# KiCad board LabSupply 2025-2026.kicad_pcb
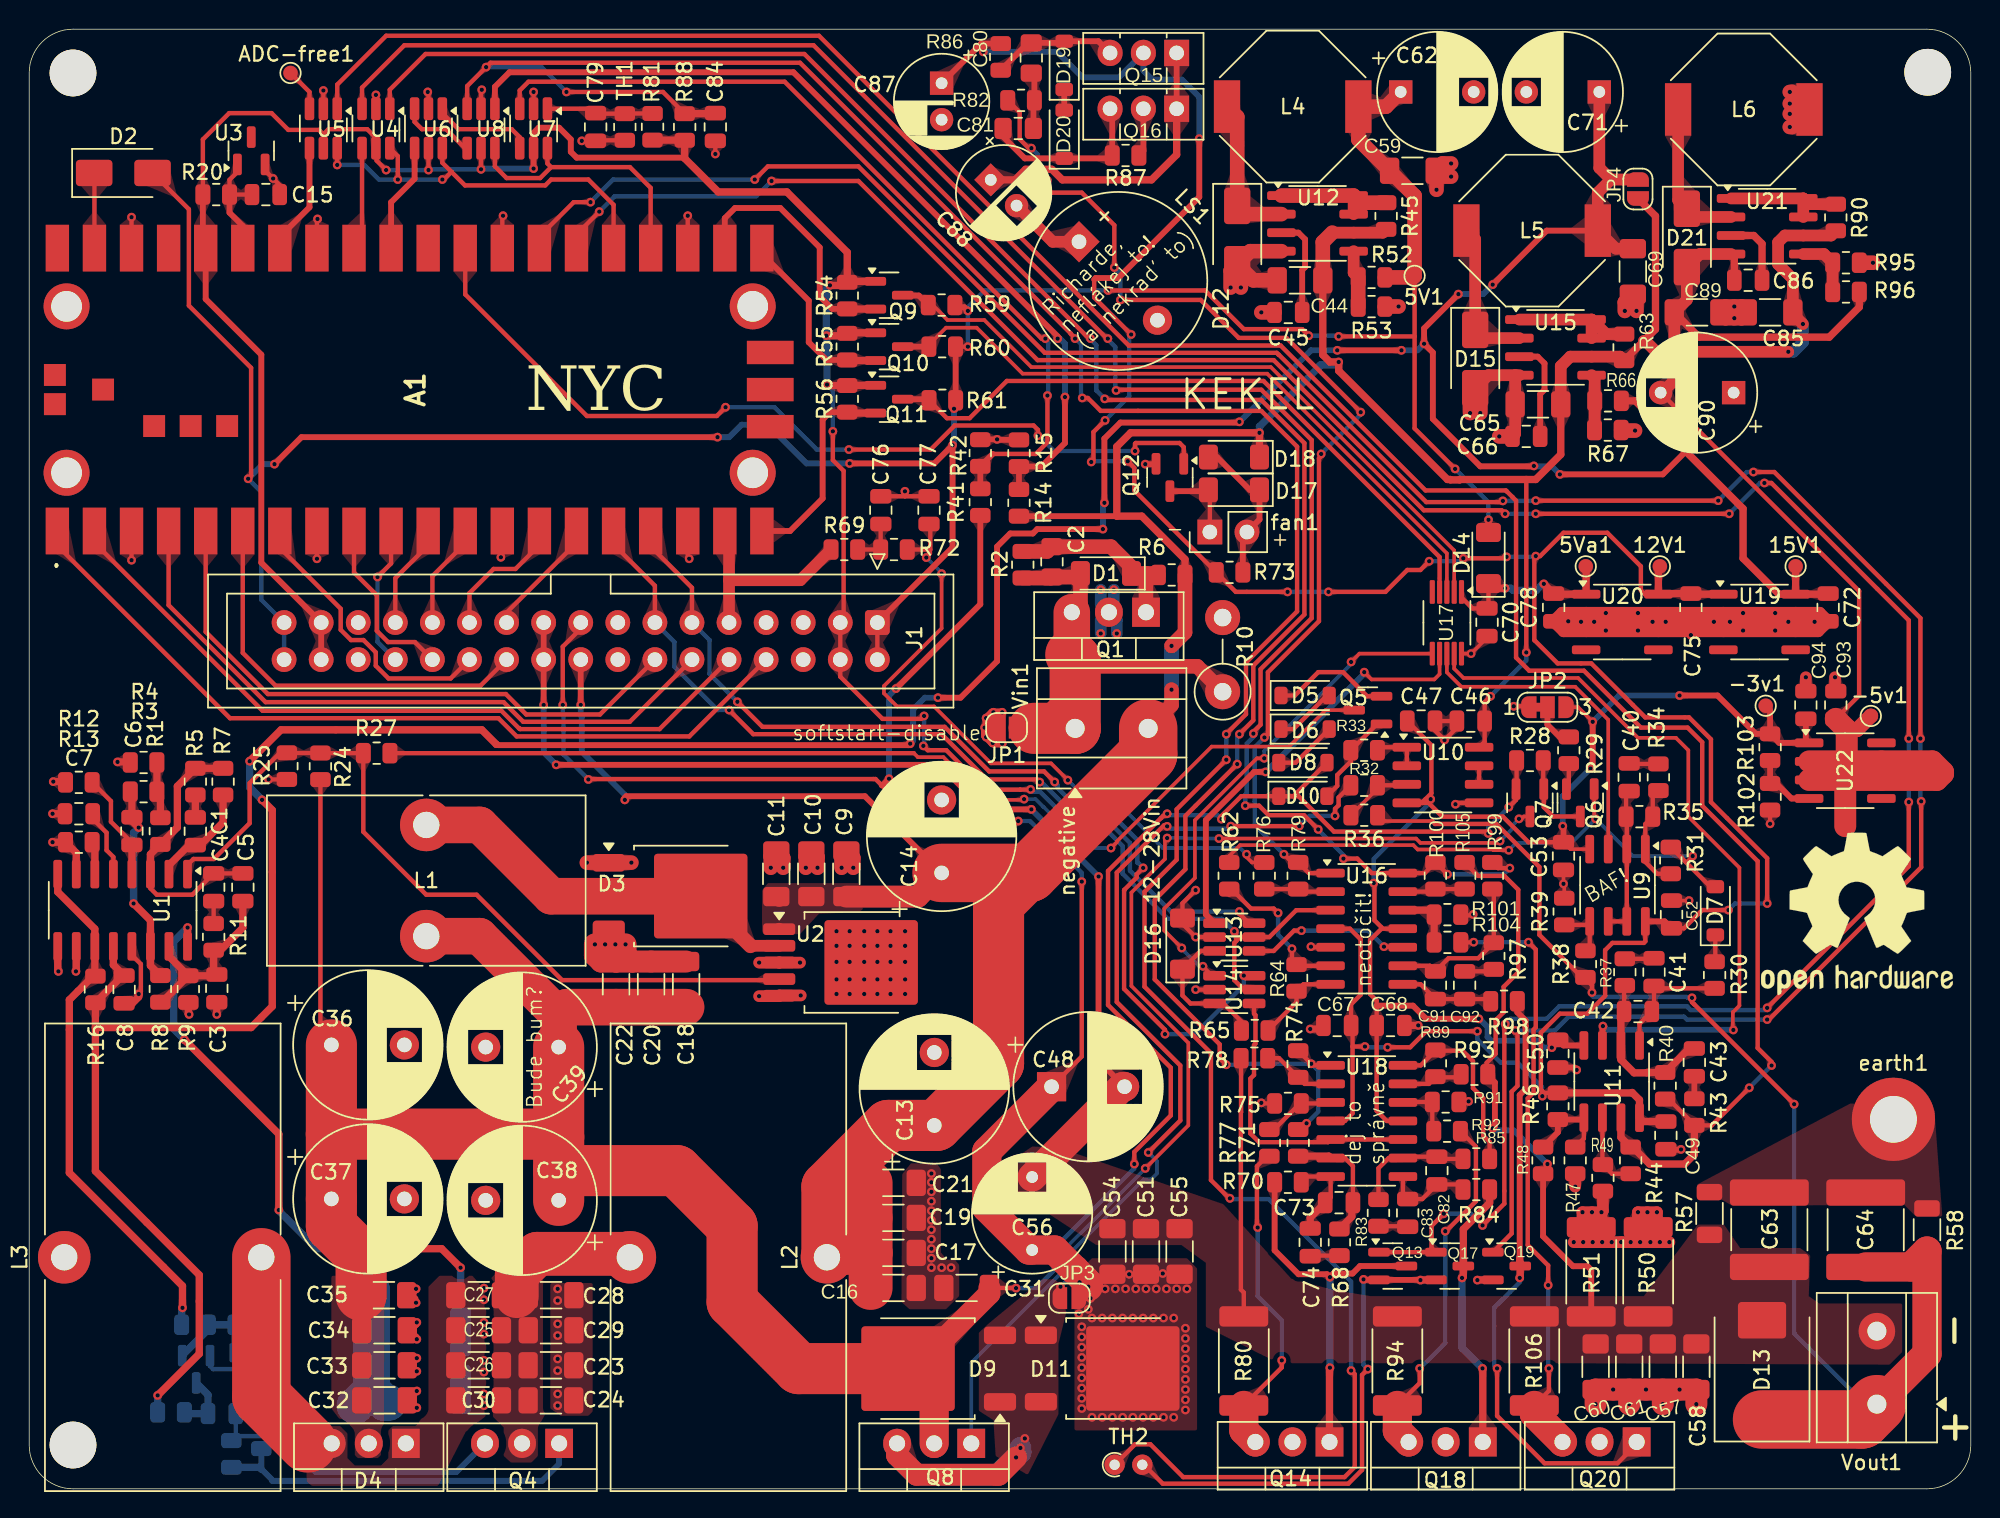
[diagram p0: board, top side]
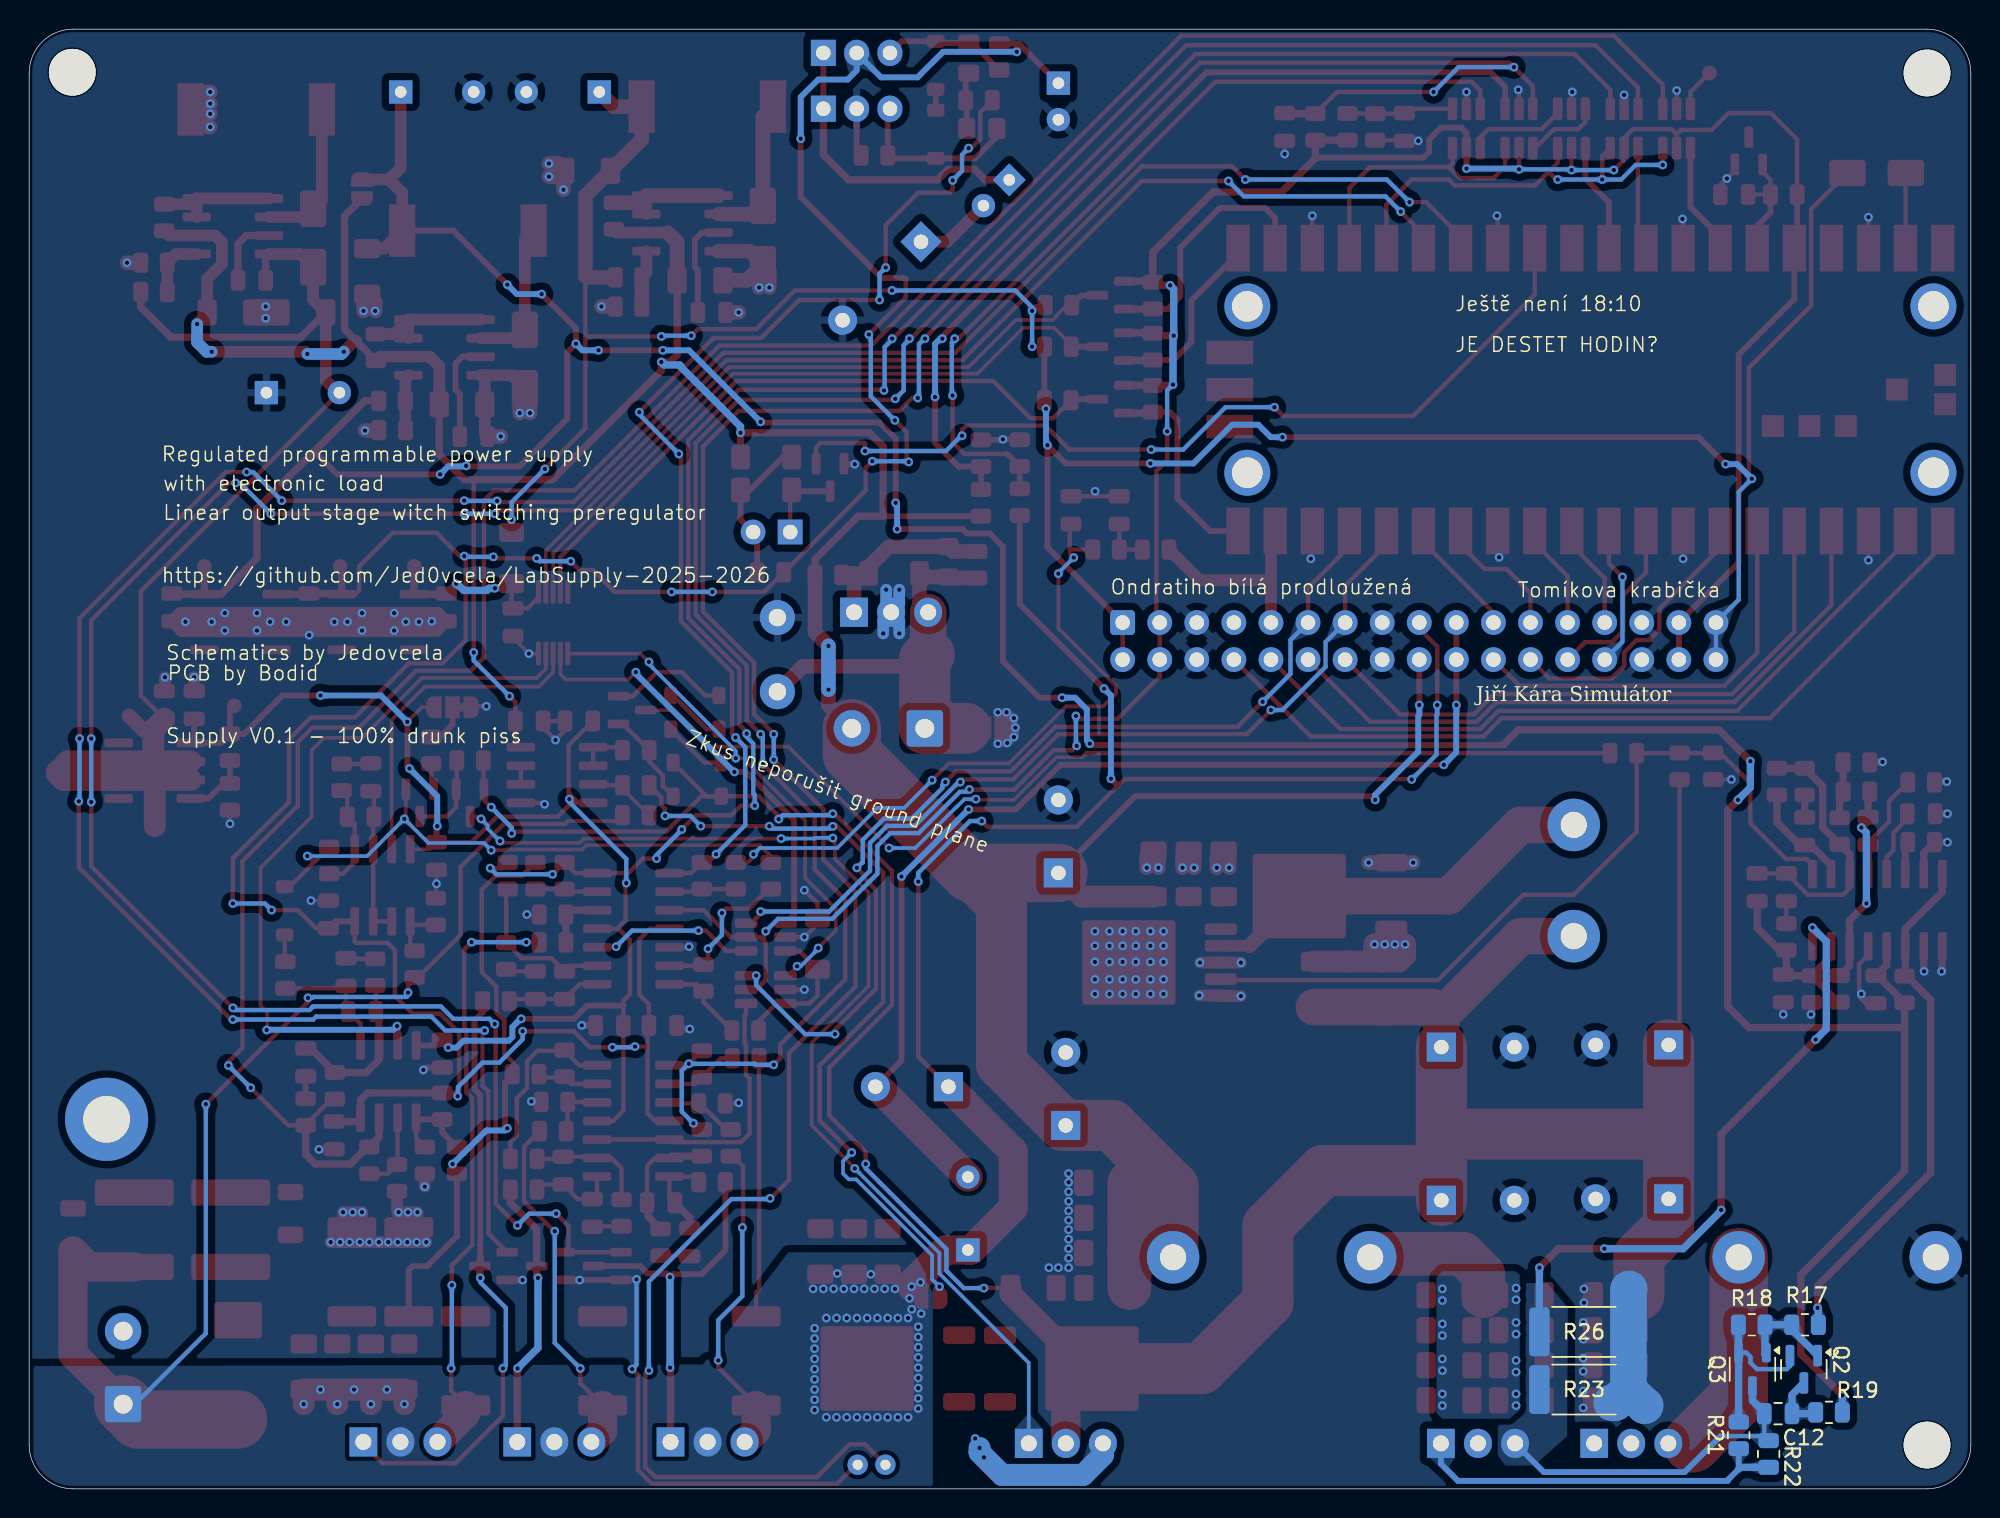
[diagram p1: board, bottom side, seen from below]

Outline 133 x 100 mm; copper layers: Top, Bottom. Coordinates in mm from the lower left corner of the outline.
Outline path: 0,97 arc(0.88,99.12) 3,100 130,100 arc(132.12,99.12) 133,97 133,3 arc(132.12,0.88) 130,0 3,0 arc(0.88,0.88) 0,3 0,97
Stack: Top 0.035mm / dielectric 1.51mm FR4 er 4.5 / Bottom 0.035mm

## Placement (name value [footprint] x y rotation side)
5V1  TestPoint_Probe  [TestPoint_Pad_D1.0mm]  94.9 83.1 0 top
5Va1  TestPoint_Probe  [TestPoint_Pad_D1.0mm]  106.62 63.2 0 top
12V1  TestPoint_Probe  [TestPoint_Pad_D1.0mm]  111.7 63.2 0 top
15V1  TestPoint_Probe  [TestPoint_Pad_D1.0mm]  121 63.2 0 top
-3v1  TestPoint_Probe  [TestPoint_Pad_D1.0mm]  118.95 53.65 0 top
-5v1  TestPoint_Probe  [TestPoint_Pad_D1.0mm]  126.15 52.95 0 top
A1  RaspberryPi_Pico  [PICO]  26.06 75.31 90 top
ADC-free1  TestPoint_Probe  [TestPoint_Pad_D1.0mm]  17.9 97 90 top
C1  100n  [C_0805_2012Metric]  11.38 45.05 90 top
C2  4u7  [C_0805_2012Metric_Pad1.18x1.45mm_HandSolder]  70.06 63.51 270 top  (not fitted)
C3  100n  [C_0805_2012Metric]  12.85 34.29 270 top
C4  100n  [C_0805_2012Metric]  12.64 41.21 270 top
C5  100n  [C_0805_2012Metric]  14.64 41.21 270 top  (not fitted)
C6  1u  [C_0805_2012Metric]  7.03 45.06 270 top
C7  1n  [C_0805_2012Metric]  3.4 46.25 180 top
C8  1u  [C_0805_2012Metric]  6.5 34.21 90 top
C9  2u2  [C_1206_3216Metric_Pad1.33x1.80mm_HandSolder]  55.97 42.13 270 top
C10  2u2  [C_1206_3216Metric_Pad1.33x1.80mm_HandSolder]  53.58 42.13 270 top
C11  2u2  [C_1206_3216Metric_Pad1.33x1.80mm_HandSolder]  51.17 42.13 270 top
C12  1u  [C_0805_2012Metric]  13.2 5.15 180 bottom
C13  470u  [CP_Radial_D10.0mm_P5.00mm]  62 24.89 90 top
C14  470u  [CP_Radial_D10.0mm_P5.00mm]  62.5 42.19 90 top
C15  100n  [C_0805_2012Metric]  16.21 88.67 0 top  (not fitted)
C16  2u2  [C_1206_3216Metric_Pad1.33x1.80mm_HandSolder]  59.2 13.76 180 top
C17  2u2  [C_1206_3216Metric_Pad1.33x1.80mm_HandSolder]  59.2 16.16 180 top
C18  2u2  [C_1206_3216Metric_Pad1.33x1.80mm_HandSolder]  45 34.56 270 top
C19  2u2  [C_1206_3216Metric_Pad1.33x1.80mm_HandSolder]  59.2 18.56 180 top
C20  2u2  [C_1206_3216Metric_Pad1.33x1.80mm_HandSolder]  42.6 34.56 270 top
C21  2u2  [C_1206_3216Metric_Pad1.33x1.80mm_HandSolder]  59.2 20.96 180 top
C22  2u2  [C_1206_3216Metric_Pad1.33x1.80mm_HandSolder]  40.2 34.56 270 top
C23  2u2  [C_1206_3216Metric_Pad1.33x1.80mm_HandSolder]  35.74 8.46 0 top
C24  2u2  [C_1206_3216Metric_Pad1.33x1.80mm_HandSolder]  35.74 6.06 0 top
C25  2u2  [C_1206_3216Metric_Pad1.33x1.80mm_HandSolder]  30.78 10.86 180 top
C26  2u2  [C_1206_3216Metric_Pad1.33x1.80mm_HandSolder]  30.78 8.46 180 top
C27  2u2  [C_1206_3216Metric_Pad1.33x1.80mm_HandSolder]  30.78 13.26 180 top
C28  2u2  [C_1206_3216Metric_Pad1.33x1.80mm_HandSolder]  35.75 13.26 0 top
C29  2u2  [C_1206_3216Metric_Pad1.33x1.80mm_HandSolder]  35.75 10.86 0 top
C30  2u2  [C_1206_3216Metric_Pad1.33x1.80mm_HandSolder]  30.78 6.06 180 top
C31  2u2  [C_1206_3216Metric_Pad1.33x1.80mm_HandSolder]  64.21 13.76 0 top
C32  2u2  [C_1206_3216Metric_Pad1.33x1.80mm_HandSolder]  24.34 6.06 180 top
C33  2u2  [C_1206_3216Metric_Pad1.33x1.80mm_HandSolder]  24.34 8.46 180 top
C34  2u2  [C_1206_3216Metric_Pad1.33x1.80mm_HandSolder]  24.34 10.86 180 top
C35  2u2  [C_1206_3216Metric_Pad1.33x1.80mm_HandSolder]  24.3 13.26 180 top
C36  470u  [CP_Radial_D10.0mm_P5.00mm]  20.7 30.41 0 top
C37  470u  [CP_Radial_D10.0mm_P5.00mm]  20.7 19.86 0 top
C38  470u  [CP_Radial_D10.0mm_P5.00mm]  36.27 19.76 180 top
C39  470u  [CP_Radial_D10.0mm_P5.00mm]  36.27 30.26 180 top
C40  100p  [C_0805_2012Metric]  109.6 48.75 270 top
C41  NC  [C_0805_2012Metric]  111.3 35.4 90 top  (not fitted)
C42  100p  [C_0805_2012Metric]  110.2 32.7 180 top
C43  NC  [C_0805_2012Metric]  114.06 29.22 270 top  (not fitted)
C44  1u  [C_1206_3216Metric_Pad1.33x1.80mm_HandSolder]  87.05 82.79 180 top
C45  100p  [C_0805_2012Metric]  86.25 80.59 0 top
C46  100n  [C_0805_2012Metric]  98.75 52.6 0 top
C47  100n  [C_0805_2012Metric]  95.35 52.6 0 top
C48  470u  [CP_Radial_D10.0mm_P5.00mm]  70.03 27.55 0 top  (not fitted)
C49  100n  [C_0805_2012Metric]  112.11 24.21 90 top
C50  100n  [C_0805_2012Metric]  104.71 29.81 270 top
C51  1u  [C_1206_3216Metric_Pad1.33x1.80mm_HandSolder]  76.5 16.26 90 top
C52  100n  [C_0805_2012Metric]  112.5 39.35 270 top
C53  100n  [C_0805_2012Metric]  105.1 43.35 270 top
C54  1u  [C_1206_3216Metric_Pad1.33x1.80mm_HandSolder]  74.2 16.26 90 top
C55  1u  [C_1206_3216Metric_Pad1.33x1.80mm_HandSolder]  78.8 16.26 90 top
C56  22u  [CP_Radial_D8.0mm_P5.00mm]  68.7 16.36 90 top
C57  1u  [C_1206_3216Metric_Pad1.33x1.80mm_HandSolder]  111.9 8.36 270 top
C58  1u  [C_1206_3216Metric_Pad1.33x1.80mm_HandSolder]  114.2 8.36 270 top
C59  1u  [C_1206_3216Metric_Pad1.33x1.80mm_HandSolder]  94.75 90.3 0 top
C60  1u  [C_1206_3216Metric_Pad1.33x1.80mm_HandSolder]  107.3 8.36 270 top
C61  1u  [C_1206_3216Metric_Pad1.33x1.80mm_HandSolder]  109.6 8.36 270 top
C62  220u  [CP_Radial_D8.0mm_P5.00mm]  93.95 95.7 0 top
C63  10n  [C_2220_5750Metric]  119.2 17.75 90 top
C64  10n  [C_2220_5750Metric]  125.8 17.75 90 top
C65  1u  [C_1206_3216Metric_Pad1.33x1.80mm_HandSolder]  103.35 74.3 180 top
C66  330p  [C_0805_2012Metric]  102.55 72.1 0 top
C67  100n  [C_0805_2012Metric]  89.6 31.74 0 top
C68  100n  [C_0805_2012Metric]  93.25 31.74 0 top
C69  1u  [C_1206_3216Metric_Pad1.33x1.80mm_HandSolder]  109.85 83.4 270 top
C70  100n  [C_0805_2012Metric]  99.86 59.37 90 top
C71  220u  [CP_Radial_D8.0mm_P5.00mm]  107.55 95.7 180 top
C72  100n  [C_0805_2012Metric]  123.22 60.38 90 top
C73  100p  [C_0805_2012Metric]  89.72 19.6 0 top
C74  NC  [C_0805_2012Metric]  87.75 16.89 270 top  (not fitted)
C75  100n  [C_0805_2012Metric]  113.82 60.38 90 top
C76  10n  [C_0805_2012Metric]  58.34 67.05 90 top
C77  10n  [C_0805_2012Metric]  61.64 67.05 90 top
C78  100n  [C_0805_2012Metric]  104.43 60.38 90 top
C79  100n  [C_0805_2012Metric]  38.8 93.3 90 top  (not fitted)
C80  4u7  [C_0805_2012Metric_Pad1.18x1.45mm_HandSolder]  68.64 98.03 270 top
C81  4u7  [C_0805_2012Metric_Pad1.18x1.45mm_HandSolder]  67.75 93.2 0 top
C82  100p  [C_0805_2012Metric]  96.43 21.8 90 top
C83  NC  [C_0805_2012Metric]  94.43 18.9 270 top  (not fitted)
C84  100n  [C_0805_2012Metric]  47 93.3 90 top
C85  1u  [C_1206_3216Metric_Pad1.33x1.80mm_HandSolder]  119.25 80.6 180 top
C86  100p  [C_0805_2012Metric]  117.75 82.8 0 top
C87  100u  [CP_Radial_D6.3mm_P2.50mm]  62.5 96.3 270 top
C88  100u  [CP_Radial_D6.3mm_P2.50mm]  65.87 89.68 315 top
C89  1u  [C_1206_3216Metric_Pad1.33x1.80mm_HandSolder]  114.25 80.6 180 top
C90  220u  [CP_Radial_D8.0mm_P5.00mm]  116.75 75.1 180 top
C91  100p  [C_0805_2012Metric]  96.32 34.5 90 top
C92  NC  [C_0805_2012Metric]  98.32 34.5 90 top  (not fitted)
C93  100n  [C_0805_2012Metric]  123.75 53.7 90 top
C94  1u  [C_0805_2012Metric]  121.7 53.7 90 top
D1  15V  [D_MiniMELF]  73.76 62.71 180 top  (not fitted)
D2  D_Schottky  [D_SMA]  6.45 90.15 0 top
D3  D_Schottky_AKA  [TO-252-2]  44.74 40.61 0 top
D4  D_Schottky_Dual_CommonCathode_AKA  [TO-220-3_Vertical]  25.8 3.11 180 top
D5  LL4148  [D_SOD-123]  87.4 54.35 0 top
D6  LL4148  [D_SOD-123]  87.4 52.05 0 top
D7  LL4148  [D_SOD-123]  115.5 39.6 90 top
D8  LL4148  [D_SOD-123]  87.25 49.75 0 top
D9  D_Schottky_AKA  [TO-252-2]  61.46 8.24 180 top  (not fitted)
D10  LL4148  [D_SOD-123]  87.24 47.45 0 top
D11  D_Schottky_AKA  [TO-252-2]  74.34 8.24 0 top
D12  D_Schottky  [D_SMA]  82.75 85.9 270 top
D13  1N62xxA  [D_SMC]  118.7 8.15 90 top
D14  LL4148  [D_MiniMELF]  99.96 63.77 90 top  (not fitted)
D15  D_Schottky  [D_SMA]  99.05 77.4 270 top
D16  2v4  [D_MiniMELF]  79 37.35 90 top
D17  LL4148  [D_MiniMELF]  82.53 68.44 180 top  (not fitted)
D18  3v9  [D_MiniMELF]  82.53 70.69 180 top  (not fitted)
D19  LL4148  [D_SOD-123]  70.9 97.53 90 top
D20  LL4148  [D_SOD-123]  70.9 92.8 90 top
D21  D_Schottky  [D_SMA]  113.55 85.7 270 top
earth1  MountingHole_Pad  [MountingHole_3.2mm_M3_ISO7380_Pad]  127.7 25.31 0 top
fan1  Conn_01x02_Pin  [PinHeader_1x02_P2.54mm_Vertical]  80.88 65.55 90 top
H1  MountingHole  [MountingHole_3.2mm_M3_DIN965]  3 3 0 top
H2  MountingHole  [MountingHole_3.2mm_M3_DIN965#2]  130 97 0 top
H3  MountingHole  [MountingHole_3.2mm_M3_DIN965]  3 97 0 top
J1  Conn_02x17_Odd_Even  [IDC-Header_2x17_P2.54mm_Vertical]  58.1 59.35 270 top
JP1  SolderJumper_2_Open  [SolderJumper-2_P1.3mm_Open_RoundedPad1.0x1.5mm]  66.95 52.15 180 top
JP2  SolderJumper_3_Bridged12  [SolderJumper-3_P1.3mm_Bridged12_RoundedPad1.0x1.5mm_NumberLabels]  104 53.55 0 top
JP3  SolderJumper_2_Open  [SolderJumper-2_P1.3mm_Open_RoundedPad1.0x1.5mm]  71.25 13.06 0 top
JP4  SolderJumper_2_Open  [SolderJumper-2_P1.3mm_Open_RoundedPad1.0x1.5mm]  110.2 89.05 90 top
L1  HCTI-56-10.2  [L_Toroid_Vertical_L21.6mm_W11.4mm_P7.62mm_Pulse_KM-3]  27.2 45.48 0 top
L2  HCTI-27-15.6  [L_Toroid_Vertical_L31.8mm_W15.9mm_P13.50mm_Bourns_5700]  54.64 15.86 270 top
L3  HCTI-27-15.6  [L_Toroid_Vertical_L31.8mm_W15.9mm_P13.50mm_Bourns_5700]  2.4 15.86 90 top
L4  220u  [L_Bourns-SRU1028_10.0x10.0mm]  86.55 94.69 0 top
L5  470u  [L_Bourns-SRU1028_10.0x10.0mm]  102.95 86.2 0 top
L6  220u  [L_Bourns-SRU1028_10.0x10.0mm]  117.45 94.5 0 top
LS1  Speaker  [Buzzer_12x9.5RM7.6]  71.91 85.44 315 top
Q1  BUZ11  [TO-220-3_Vertical]  76.5 60.06 180 top  (not fitted)
Q2  BC817  [SOT-23]  11.44 8.19 270 bottom
Q3  BC808  [SOT-23-3]  14.96 8.19 270 bottom
Q4  BUZ11  [TO-220-3_Vertical]  36.3 3.11 180 top
Q5  BC807  [SOT-23]  91.7 53.35 180 top
Q6  BC817  [SOT-23]  106.25 47 270 top
Q7  BC807  [SOT-23]  102.8 47 270 top
Q8  TIP41B  [TO-220-3_Vertical]  64.53 3.11 180 top
Q9  2N7002K  [SOT-23]  58.9 81.78 0 top
Q10  2N7002K  [SOT-23]  58.9 78.25 0 top
Q11  2N7002K  [SOT-23]  58.9 74.65 0 top
Q12  2N7002K  [SOT-23]  78.14 69.29 270 top
Q13  2N7002K  [SOT-23]  93.4 15.26 0 top
Q14  BUZ11  [TO-220-3_Vertical]  89.07 3.21 180 top
Q15  BD139  [TO-126-3_Vertical]  78.6 98.38 180 top
Q16  BD136  [TO-126-3_Vertical]  78.6 94.55 180 top
Q17  2N7002K  [SOT-23]  97.3 15.26 0 top
Q18  BUZ11  [TO-220-3_Vertical]  99.57 3.21 180 top
Q19  2N7002K  [SOT-23]  101.2 15.26 0 top
Q20  BUZ11  [TO-220-3_Vertical]  110.11 3.21 180 top
R1  2k2  [R_0805_2012Metric]  8.98 45.06 90 top
R2  1M  [R_0805_2012Metric]  68.06 63.31 270 top  (not fitted)
R3  10k  [R_0805_2012Metric]  7.83 47.76 180 top
R4  4k7  [R_0805_2012Metric]  7.83 49.76 0 top
R5  10k  [R_0805_2012Metric]  11.38 48.45 270 top
R6  47k  [R_0805_2012Metric]  78.26 62.61 180 top  (not fitted)
R7  47k  [R_0805_2012Metric]  13.28 48.45 90 top
R8  47k  [R_0805_2012Metric]  8.98 34.25 90 top
R9  1k2  [R_0805_2012Metric]  10.9 34.24 90 top
R10  10  [R_Axial_DIN0411_L9.9mm_D3.6mm_P5.08mm_Vertical]  81.75 54.61 90 top  (not fitted)
R11  10k  [R_0805_2012Metric]  12.64 37.81 90 top
R12  10k  [R_0805_2012Metric]  3.4 48.4 0 top
R13  2k2  [R_0805_2012Metric]  3.4 44.3 0 top
R14  47k  [R_0805_2012Metric]  67.8 67.55 90 top
R15  4k7  [R_0805_2012Metric]  67.8 70.95 90 top
R16  1k2  [R_0805_2012Metric]  4.53 34.21 90 top
R17  10  [R_0805_2012Metric]  11.36 11.24 0 bottom
R18  0  [R_0805_2012Metric]  15.01 11.24 0 bottom  (not fitted)
R19  10  [R_0805_2012Metric]  9.71 5.24 180 bottom
R20  1k  [R_0805_2012Metric]  12.81 88.67 180 top  (not fitted)
R21  10  [R_0805_2012Metric]  15.9 3.66 270 bottom
R22  47k  [R_0805_2012Metric]  13.85 2.39 90 bottom
R23  10m  [R_2512_6332Metric_Pad1.40x3.35mm_HandSolder]  26.5 6.8 180 bottom
R24  33k  [R_0805_2012Metric]  19.95 49.5 90 top
R25  1k2  [R_0805_2012Metric]  17.65 49.51 270 top
R26  10m  [R_2512_6332Metric_Pad1.40x3.35mm_HandSolder]  26.5 10.75 180 bottom  (not fitted)
R27  2k2  [R_0805_2012Metric]  23.8 50.4 0 top
R28  2k2  [R_0805_2012Metric]  102.8 49.9 0 top
R29  1k2  [R_0805_2012Metric]  105.46 50.6 90 top
R30  1k2  [R_0805_2012Metric]  115.45 35.2 270 top
R31  2k2  [R_0805_2012Metric]  112.45 43.05 270 top
R32  2k2  [R_0805_2012Metric]  91.44 48.2 0 top
R33  2k2  [R_0805_2012Metric]  91.44 50.6 0 top
R34  2k2  [R_0805_2012Metric]  111.6 48.75 90 top
R35  47k  [R_0805_2012Metric]  110.3 46.05 180 top  (not fitted)
R36  2k2  [R_0805_2012Metric]  91.45 46.15 180 top  (not fitted)
R37  NC  [R_0805_2012Metric]  109.3 35.4 270 top  (not fitted)
R38  33k  [R_0805_2012Metric]  106.6 35.95 90 top
R39  2k2  [R_0805_2012Metric]  105.15 39.55 90 top
R40  2k2  [R_0805_2012Metric]  112.06 27.61 270 top
R41  47k  [R_0805_2012Metric]  65.15 67.6 90 top
R42  4k7  [R_0805_2012Metric]  65.15 70.96 90 top
R43  NC  [R_0805_2012Metric]  114.06 25.81 270 top  (not fitted)
R44  39k  [R_0805_2012Metric]  109.7 22.5 270 top
R45  1  [R_0805_2012Metric]  92.95 87.2 270 top
R46  1M  [R_0805_2012Metric]  104.71 26.21 270 top  (not fitted)
R47  39k  [R_0805_2012Metric]  105.9 22.5 90 top
R48  2k2  [R_0805_2012Metric]  103.7 22.5 270 top
R49  2k2  [R_0805_2012Metric]  107.8 21.3 270 top
R50  50m  [R_2512_6332Metric_Pad1.40x3.35mm_HandSolder]  110.9 14.86 90 top
R51  50m  [R_2512_6332Metric_Pad1.40x3.35mm_HandSolder]  107 14.86 90 top
R52  3k  [R_0805_2012Metric]  91.95 83 0 top
R53  1k  [R_0805_2012Metric]  91.95 81 180 top
R54  10k  [R_0805_2012Metric]  56.04 81.75 270 top
R55  10k  [R_0805_2012Metric]  56.04 78.25 270 top
R56  10k  [R_0805_2012Metric]  56.04 74.68 270 top
R57  1M  [R_1206_3216Metric]  115.1 18.86 90 top
R58  1M  [R_1206_3216Metric]  130 17.75 90 top
R59  10k  [R_0805_2012Metric]  62.5 81.1 180 top
R60  10k  [R_0805_2012Metric]  62.54 78.25 180 top
R61  10k  [R_0805_2012Metric]  62.55 74.57 180 top
R62  39k  [R_0805_2012Metric]  82.2 42 270 top
R63  1  [R_0805_2012Metric]  109.25 78.2 270 top
R64  39k  [R_0805_2012Metric]  86.81 35 270 top
R65  39k  [R_0805_2012Metric]  83.95 31.4 180 top
R66  11k  [R_0805_2012Metric]  108.15 74.54 0 top
R67  1k  [R_0805_2012Metric]  108.14 72.54 180 top
R68  NC  [R_0805_2012Metric]  89.75 16.89 90 top  (not fitted)
R69  2k2  [R_0805_2012Metric]  55.84 64.35 0 top
R70  2k2  [R_0805_2012Metric]  86.22 21 180 top
R71  2k2  [R_0805_2012Metric]  86.93 23.7 90 top
R72  2k2  [R_0805_2012Metric]  59.24 64.35 0 top
R73  10  [R_0805_2012Metric]  82.22 62.79 0 top
R74  47k  [R_0805_2012Metric]  86.93 29.1 270 top
R75  47k  [R_0805_2012Metric]  86.22 26.4 0 top
R76  33k  [R_0805_2012Metric]  84.6 42 270 top
R77  2k2  [R_0805_2012Metric]  84.95 23.7 270 top
R78  2k2  [R_0805_2012Metric]  83.93 29.5 180 top
R79  47k  [R_0805_2012Metric]  86.93 42 90 top
R80  50m  [R_2512_6332Metric_Pad1.40x3.35mm_HandSolder]  83.2 8.76 90 top
R81  10k  [R_0805_2012Metric]  42.7 93.31 90 top  (not fitted)
R82  2k2  [R_0805_2012Metric]  67.94 95.12 0 top
R83  NC  [R_0805_2012Metric]  92.43 18.9 90 top  (not fitted)
R84  2k2  [R_0805_2012Metric]  99.12 20.5 0 top
R85  2k2  [R_0805_2012Metric]  99.12 22.6 0 top
R86  33k  [R_0805_2012Metric]  66.55 98.1 270 top
R87  33k  [R_0805_2012Metric]  75.1 91.35 0 top
R88  10k  [R_0805_2012Metric]  44.9 93.3 90 top
R89  47k  [R_0805_2012Metric]  96.32 29.15 270 top
R90  1  [R_0805_2012Metric]  123.75 87.1 270 top
R91  47k  [R_0805_2012Metric]  97.03 26.5 180 top
R92  2k2  [R_0805_2012Metric]  97.12 24.5 0 top
R93  2k2  [R_0805_2012Metric]  99 28.4 0 top
R94  50m  [R_2512_6332Metric_Pad1.40x3.35mm_HandSolder]  93.72 8.76 90 top
R95  3k  [R_0805_2012Metric]  124.45 84 180 top
R96  1k  [R_0805_2012Metric]  124.45 82 0 top
R97  NC  [R_0805_2012Metric]  100.32 36.5 90 top  (not fitted)
R98  2k2  [R_0805_2012Metric]  101.03 33.4 0 top
R99  2k2  [R_0805_2012Metric]  100.22 42 90 top
R100  47k  [R_0805_2012Metric]  96.32 42 270 top
R101  47k  [R_0805_2012Metric]  97.15 39.34 180 top
R102  3k  [R_0805_2012Metric]  119.25 47.41 90 top
R103  1k  [R_0805_2012Metric]  119.25 50.81 90 top
R104  2k2  [R_0805_2012Metric]  97.15 37.44 0 top
R105  2k2  [R_0805_2012Metric]  98.32 42 90 top
R106  500m  [R_2512_6332Metric_Pad1.40x3.35mm_HandSolder]  103.1 8.76 90 top
REF**  -  [OSHW-Logo2_14.6x12mm_SilkScreen]  125.2 39.4 0 top
TH1  Thermistor_NTC  [R_0805_2012Metric]  40.8 93.3 270 top  (not fitted)
TH2  Thermistor_NTC  [R_Axial_DIN0204_L3.6mm_D1.6mm_P1.90mm_Vertical]  74.35 1.65 0 top
U1  TL494  [SOIC-16_3.9x9.9mm_P1.27mm]  6.4 39.64 270 top
U2  APE1707H-HF  [TO-252-5_TabPin3]  56.42 36.06 0 top
U3  LM4040DBZ-3  [SOT-23]  15.21 91.67 90 top  (not fitted)
U4  74LVC1G3157  [SOT-23-6_Handsoldering]  23.75 93.2 270 top
U5  74LVC1G3157  [SOT-23-6_Handsoldering]  20.15 93.2 270 top
U6  74LVC1G3157  [SOT-23-6_Handsoldering]  27.35 93.2 270 top
U7  74LVC1G3157  [SOT-23-6_Handsoldering]  34.55 93.2 270 top
U8  74LVC1G3157  [SOT-23-6_Handsoldering]  30.95 93.2 270 top
U9  RC4580  [SOIC-8_3.9x4.9mm_P1.27mm]  108.8 41.35 270 top
U10  RC4580  [SOIC-8_3.9x4.9mm_P1.27mm]  96.84 48.9 0 top
U11  RC4580  [SOIC-8_3.9x4.9mm_P1.27mm]  108.4 27.9 270 top
U12  MC34063AD  [SOIC-8_3.9x4.9mm_P1.27mm]  88.25 86.69 0 top
U13  74LVC1G3157  [SOT-23-6_Handsoldering]  82.55 37.8 0 top
U14  74LVC1G3157  [SOT-23-6_Handsoldering]  82.55 34.2 0 top
U15  MC34063AD  [SOIC-8_3.9x4.9mm_P1.27mm]  104.55 78.2 0 top
U16  LM324  [SOIC-14_3.9x8.7mm_P1.27mm]  91.62 38.37 0 top
U17  MCP4728  [MSOP-10_3x3mm_P0.5mm]  97.11 59.33 270 top
U18  LM324  [SOIC-14_3.9x8.7mm_P1.27mm]  91.62 25.2 0 top
U19  L78L12_SO8  [SOIC-8_3.9x4.9mm_P1.27mm]  118.53 59.38 0 top
U20  L78L05_SO8  [SOIC-8_3.9x4.9mm_P1.27mm]  109.12 59.38 0 top
U21  MC34063AD  [SOIC-8_3.9x4.9mm_P1.27mm]  119.05 86.5 0 top
U22  LM337L_SO8  [SOIC-8_3.9x4.9mm_P1.27mm]  124.4 49.2 0 top
Vin1  Vin  [TerminalBlock_MetzConnect_Type055_RT01502HDWU_1x02_P5.00mm_Horizontal]  71.65 52.1 0 top
Vout1  Screw_Terminal_01x02  [TerminalBlock_MetzConnect_Type055_RT01502HDWU_1x02_P5.00mm_Horizontal]  126.57 5.8 90 top
